# Altium PCB S6 V1.2.PcbDoc (part 3 of 3) (continued)
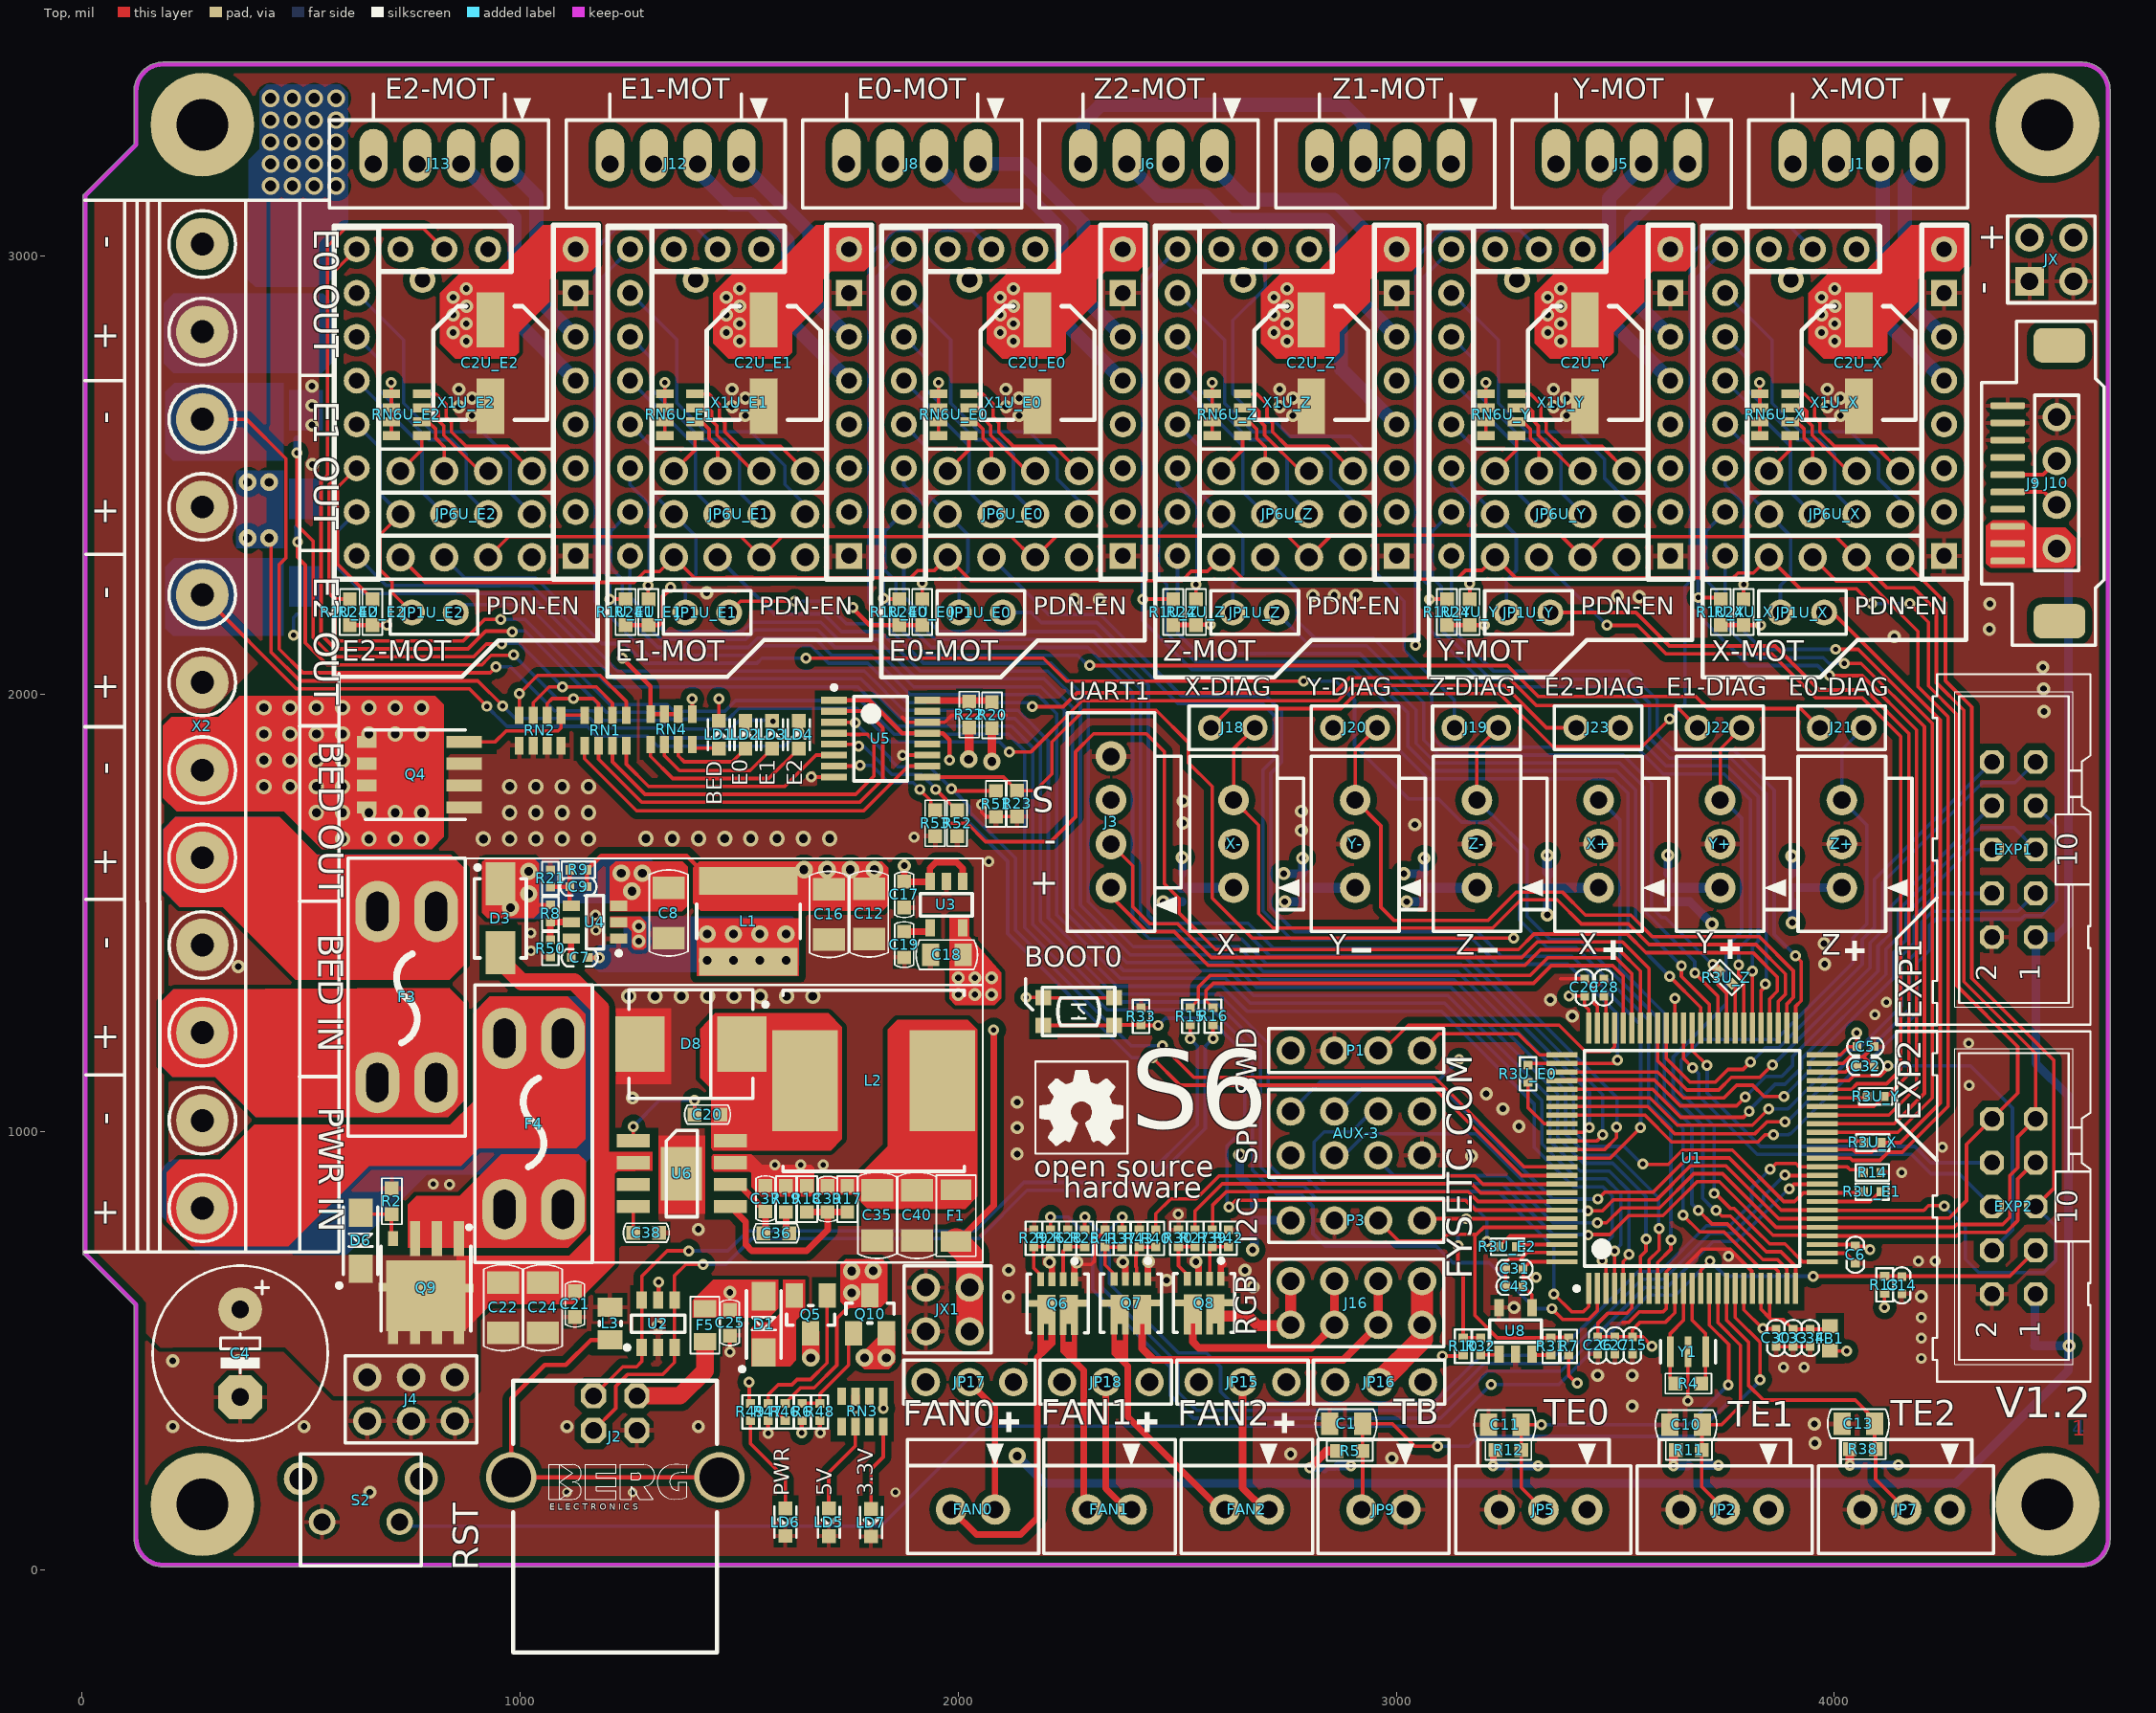
[diagram p0: Top view]
## Nets (pads, with @x,y where several pads share a name; then routed paths per layer and width w, separated by ;. In a path a pad name is that pad's centre, name@x,y a point inside that pad or via, vN(x,y) a via of type N, cw(c..) or ccw(c..) an arc to the next point about the centre after c; other vN are vias at no path point) (continued)
  other v5: 430,3160 480,3160 530,3160 580,3160 430,3210 480,3210 530,3210 580,3210 430,3260 480,3260 530,3260 580,3260 430,3310 480,3310 530,3310 580,3310 430,3360 480,3360 530,3360 580,3360
VREFU_E0: X1U_E0.17
VREFU_E1: X1U_E1.17
VREFU_E2: X1U_E2.17
VREFU_X: X1U_X.17
VREFU_Y: X1U_Y.17
VREFU_Z: X1U_Z.17
X-MAX: J23.2 U1.24 X+.3 | length 1520.8
  Top w8: v1(3689.91,821) 3720.91,790 3755.72,790 3837.1,708.62 3870.7,708.62 3892.16,687.15 U1.24@3892.16,642.76
  GND w8: X+.3@3461.95,1757.69 3461.95,1873.95 J23.2@3511,1923
  Bottom w8: X+.3@3461.95,1757.69 3465.24,1757.69 3510.95,1711.98 3510.95,1372.55 3612,1271.5 3612,1076.68 3675,1013.68 3675,835.91 v1(3689.91,821)
X-MIN: J18.2 U1.53 X-.3 | length 1911.3
  Top w8: J18.2@2677,1923 2628.74,1874.74 X-.3@2628.74,1757.69 2686,1700.43 2686,1498.47 2718.62,1465.85 2986.69,1465.85 2986.99,1465.55 3220.12,1465.55 3284.57,1530 3367.38,1530 3422.42,1474.96 3530.09,1474.96 3577.12,1427.93 3821.39,1427.93 3888.37,1360.95 3888.37,1314.44 3872.48,1298.55 U1.53@3872.48,1237.24
Y-MAX: J22.2 U1.25 Y+.3 | length 1541.9
  Top w8: v1(3730,821) 3743,808 3763.17,808 3844.56,726.62 3878.16,726.62 3911.85,692.92 U1.25@3911.85,642.76 ; v1@3731,826 v1@3733,824 ; Y+.3@3739.69,1757.69 3739.69,1874.51 J22.2@3788.18,1923
  Bottom w8: v1@3731,824 3724.39,824 3699.99,848.4 3699.99,848.53 3699.5,849.02 3699.5,870.98 3699.99,871.47 3699.99,1014.15 3632.29,1081.85 3632.29,1171.29 3753.4,1292.4 3753.4,1423.4 3788.69,1458.69 3788.69,1716.65 3747.65,1757.69 Y+.3@3739.69,1757.69
Y-MIN: J20.2 U1.52 Y-.3 | length 1646.7
  Top w8: J20.2@2956,1923 2906.48,1873.48 Y-.3@2906.48,1757.69 2965,1699.17 2965,1513 2994.45,1483.55 3210.06,1483.55 3274.51,1548 3378.87,1548 3431.87,1495 3535.5,1495 3584.57,1445.93 3828.84,1445.93 3906.61,1368.16 3906.61,1307.23 3892.16,1292.78 U1.52@3892.16,1237.24
Z-MAX: J21.2 U1.26 Z+.3 | length 1724.5
  Top w8: v1(3726,860) 3728.48,860 3762.48,826 3770.63,826 3834.6,762.03 3835,762.03 3852.41,744.62 3887.27,744.62 3928.11,703.78 U1.26@3972.87,703.78 ; v1@3726,861 v1@3726.5,860.5
  Bottom w8: v1@3726,861 3726,1013.6 3650.29,1089.3 3650.29,1163.84 3697.46,1211 3867.11,1211 4043,1386.89 4043,1444 4074,1475 4074,1701.12 Z+.3@4017.43,1757.69 4017.43,1873.43 J21.2@4067,1923
Z-MIN: J19.2 U1.23 Z-.3 | length 1677.2
  Top w8: Z-.3@3184.21,1757.69 3184.21,1874.21 J19.2@3233,1923 ; v1(3655,810.02) 3693.02,772 3748.26,772 3829.65,690.62 3863.24,690.62 3872.48,681.38 U1.23@3872.48,642.76
  Bottom w8: Z-.3@3184.21,1757.69 3216.22,1725.69 3217.77,1725.69 3299,1644.46 3299,1491.94 3351.94,1439 3417.97,1439 3594,1262.97 3594,1069.23 3655,1008.23 v1(3655,810.02)
pads on no net: J9.4 J9.7 J9.11 J9.12 RN3.1 RN3.3 RN3.6 RN3.8 S2.3 S2.4 U5.12 U5.15 U6.3 X1U_E0.18 X1U_E1.18 X1U_E2.18 X1U_X.18 X1U_Y.18 X1U_Z.18

## Polygon pours and split planes (outlines as drawn)
GND on Top "Top-GND" (solid, remove dead copper, pour order 102): 4,3157 123.73,3276.73 123.73,3453.2 4604.64,3453.2 4621.31,3436.53 4621.3,3436.52 4621.3,75.09 4619.42,75.09 4576.04,31.71 4576.02,31.73 159.01,31.73 120.02,70.72 120.02,626 4.01,742.01
+24V on Top "+24V_L01_P044" (solid, remove dead copper, pour order 44): 453.47,748.47 430.95,771 211,771 211,795 186,820 187,821 187,1855.1 420,2086 420,2211 420,3127.17 28,3127.17 28,728.64 146,610.64 146,541 179,508 464,508 575,397 886,397 900.99,411.99 900.99,504.3 900.99,679.07 861.11,718.95 482.99,718.95
GND on GND "NONET_L01_P-001" (solid, remove dead copper, pour order 78): 4,3435 4,15.79 4629.83,15.79 4629.83,3460.71
GND on Power "Power-GND" (solid, remove dead copper, pour order 110): 1569.69,2193.63 1650.59,2112.73 2053.62,2114.91 2239.61,2114.91 2328.69,2025.83 2426.78,2025.83 2478.05,1974.55 2478.05,1608.2 2531.62,1554.63 2580.42,1554.63 2842.49,1554.63 2842.49,34.06 31.69,34.06 31.69,2149.13 27.69,2153.13 27.69,3171.63 106.69,3250.63 606.69,3250.63 662.59,3194.73 662.59,2222.28 656.69,2216.38 656.69,2193.63
+3.3V on Power "NONET_L01_P-001" (solid, remove dead copper, pour order 108): 2744.66,174.09 2744.66,114.41 2824.53,34.54 4600.33,34.54 4600.34,2746.23 671.46,2746.23 671.46,2135.23 1513.85,2135.23 1668.45,1980.62 1671.53,1977.54 1841.53,1977.54 1906.53,1912.54 1906.8,1741.06 1906.8,1226.12 2039.83,1093.1 2482.32,1093.1 2645.8,929.62 2645.8,272.94
+5V on Power "NONET_L01_P-001" (solid, remove dead copper, pour order 106): 2186.4,237.72 1783.28,237.72 1733.33,287.67 1733.33,373.88 1650.82,456.39 1633.33,473.88 1633.33,581.72 1770.47,581.72 1853.33,664.58 1853.33,1639.72 1853.33,1755.72 2004.63,1907.03 2303.6,1907.03 2433.33,1777.3 2433.33,1640.27 2251.27,1458.21 2005.17,1458.21 1948.38,1401.43 1948.38,1227.67 2009.33,1166.72 2439.71,1166.72 2511.71,1094.72 2687.15,1094.72 2771.33,1009.55 2771.33,633.12 2643.93,505.72 2454.4,505.72
DC5V on Power "NONET_L01_P-001" (solid, pour order 104): 1630.91,1631 1617.64,1617.73 1617.64,1575.36 1714,1479 1714,613.71 1730.26,597.45 1769.52,597.45 1841,668.93 1841,1612 1822,1631
VMOT on Power "Top Overlay-No Net" (solid, remove dead copper, pour order 52): 359,2782.37 379.16,2762 4629.8,2762 4629.8,3442.4 359,3442.41
+24V on Bottom "Top Overlay-No Net" (solid, remove dead copper, pour order 50): 227.62,740.36 227.62,738.4 264.02,702 477,702 643.18,535.82 879.67,535.82 908,507.49 908,411.42 879.58,383 533.6,383 391,525.36 205.46,525.36 4.51,726.31 6.62,728.42 6.62,1120.36 6.62,2914 459,2914 459,1973.4 178.62,1686.79 178.62,1137.36 178.62,789.36
GND on Bottom "Thermal-GND" (solid, remove dead copper, pour order 100): 103,16 4610.88,16 4610.88,3438.28 158.26,3438.28 109.58,3389.61 109.58,3257.28 -6.42,3141.27 -6.41,3141.26 -6.41,726.28 109.59,610.27 102.5,603.18 102.5,19.59
no net on Bottom "Thermal-No Net" (solid, pour order 98): 0,0

## Keep-outs
Keep-Out Layer:
  lines w10: 7.5,722.5 123.51,606.49 123.51,73.71 ccw(c185,73.71) 185,12.22 3049.99,12.22 4349.23,12.22 4565.73,12.22 ccw(c4565.73,71.26) 4624.79,71.26 ; 7.5,726.22 7.49,3137.49 123.5,3253.5 123.5,3375.91 ; 123.5,3375 cw(c185.46,3375.46) 185,3437.42 4565.73,3437.42 ; 4565.75,3437.39 cw(c4565.75,3378.33) 4624.8,3378.33 ; 4624.79,71.27 4624.79,3378.36

## Other copper
Top:
  rectangle net GND: 1316,813.5 1423,992
  rectangle net GND: 1218.3,1109 1344.98,1283
  rectangle net NetC7_2: 1403,1356 1637,1488
  region net NetD1_2: 1528.53,553.09 1541.44,566 1573,566 1600,593 1600,663 1650,663 1650,590.06 1630,570.06 1630,479 1616,465 1528.53,465
  region net +5V: 1820.44,536 1777,492.56 1777,467.43 1785.58,458.86 1841.29,458.86 1856,473.57 1856,534.18
  region net DC5V: 1744.26,710.86 1731.26,697.85 1731.26,612.24 1746,597.5 1747.24,598.74 1822.24,598.74 1838.45,614.96 1838.45,698.5 1826.89,709.7
  region net DC5V: 1409,1617.73 1395,1603.73 1395,1522 1412,1505 1827.49,1505 1840.49,1518 1840.49,1603.51 1826.27,1617.73
  region net NetC8_2: 920.2,1623.46 913,1616.26 913,1501 925,1489 1031.39,1489 1042.74,1500.35 1042.74,1613.26 1031.84,1624.16
  region net NetC8_2: 1205,1503.55 1369.55,1503.55 1383,1517 1383,1606 1371,1618 1217.75,1618 1205,1605.25
  region net NetC7_2: 1205.59,1466.49 1205.59,1491.49 1274.59,1491.49 1287.59,1478.49 1287.59,1422.49 1281.59,1416.49 1260.59,1416.49 1254.59,1422.49 1254.59,1458.49 1246.59,1466.49
  region net UVCC: 1394,615 1394,577 1568.47,577 1589,597.53 1589,663 1440.31,663 1394.44,617.13
  region net +5V: 4346.57,2384 4346.57,2298.38 4357,2287.95 4544.95,2287.95 4552,2295 4552,2355.73 4527.73,2380 4453.95,2380 4437.95,2396 4361,2396
  region net +3.3V: 1979.74,1490 1979.74,1304 1993.68,1290.06 2083.06,1290.06 2098,1305 2098,1364.37 2025,1447.19 2025,1494 1983.74,1494
  region net NetLD1_1: 184.96,1927.68 184.96,1763.04 216,1732 461,1732 546.73,1646.27 798.27,1646.27 826,1674 826,1975.8 806.52,1995.27 359.27,1995.27 311,1947 204.28,1947
  region net VMOT: 3940.9,2915.32 3940.9,2800.32 3975.9,2765.32 4105.9,2765.32 4120.9,2780.32 4120.9,2825.32 4190.9,2895.32 4190.9,2945.32 4210.9,2965.32 4285.9,2965.32 4302.08,2981.5 4302.08,3070.32 4175.9,3070.32 4065.9,2960.32 3985.9,2960.32
  region net VMOT: 3315.9,2915.32 3315.9,2800.32 3350.9,2765.32 3480.9,2765.32 3495.9,2780.32 3495.9,2825.32 3565.9,2895.32 3565.9,2945.32 3585.9,2965.32 3660.9,2965.32 3677.08,2981.5 3677.08,3070.32 3550.9,3070.32 3440.9,2960.32 3360.9,2960.32
  region net VMOT: 2690.9,2915.32 2690.9,2800.32 2725.9,2765.32 2855.9,2765.32 2870.9,2780.32 2870.9,2825.32 2940.9,2895.32 2940.9,2945.32 2960.9,2965.32 3035.9,2965.32 3052.08,2981.5 3052.08,3070.32 2925.9,3070.32 2815.9,2960.32 2735.9,2960.32
  region net VMOT: 2065.9,2915.32 2065.9,2800.32 2100.9,2765.32 2230.9,2765.32 2245.9,2780.32 2245.9,2825.32 2315.9,2895.32 2315.9,2945.32 2335.9,2965.32 2410.9,2965.32 2427.08,2981.5 2427.08,3070.32 2300.9,3070.32 2190.9,2960.32 2110.9,2960.32
  region net VMOT: 1440.9,2915.32 1440.9,2800.32 1475.9,2765.32 1605.9,2765.32 1620.9,2780.32 1620.9,2825.32 1690.9,2895.32 1690.9,2945.32 1710.9,2965.32 1785.9,2965.32 1802.08,2981.5 1802.08,3070.32 1675.9,3070.32 1565.9,2960.32 1485.9,2960.32
  region net VMOT: 816.9,2915.32 816.9,2800.32 851.9,2765.32 981.9,2765.32 996.9,2780.32 996.9,2825.32 1066.9,2895.32 1066.9,2945.32 1086.9,2965.32 1161.9,2965.32 1178.08,2981.5 1178.08,3070.32 1051.9,3070.32 941.9,2960.32 861.9,2960.32
  region net NetF4_1: 865,923 905,963 1128,963 1149,984 1149,1269 1109,1309 931,1309 893.33,1271.33 893.33,1069.27 840.33,1016.27 393.33,1016.27 314.33,937.27 222.27,937.27 193,908 193,795.6 249.6,739 471,739 655,923
  region net NetF3_1: 208.73,1325.73 179,1296 179,1153 206,1126 304,1126 396,1034 835,1034 873,1072 873,1294 838.15,1328.85
  region net +24V-BED: 213,1719 185.07,1691.07 185.07,1551.65 222.72,1514 320.72,1514 486.86,1347.86 838.86,1347.85 875.86,1384.85 875.86,1599.14 842,1633 536.72,1633 450.72,1719
  region net GND: 1437,945 1441,949 1528,949 1552,925 1665,925 1671,919 1671,861 1663,853 1550.3,853 1528,875.3 1528,906 1524,910 1443,910 1437,916
  region net NetC35_1: 1861,1256 1839,1234 1839,968 1770,899 1687,899 1683.3,895.3 1683.3,860.7 1687,857 1762,857 1794,825 2016,825 2044,853 2044,1234 2022,1256
  region net NetC20_1: 1444.79,1271 1411,1235.33 1411,1124 1436,1099 1436,963 1441,958 1516,958 1709,958 1735,984 1735,1240 1704,1271
  region net +24V: 855.05,718.95 856,718 1112,718 1163,769 1163,934 1183,954 1302,954 1302,912 1224,912 1216,904 1216,698 1125,607 934,607 856.28,529.28
  region net NetFAN0_2: 2195.63,489.2 2221.63,515.21 2221.63,541.21 2206.43,541.21 2206.43,524.21 2195.63,524.21 2195.63,541.21 2181.43,541.21 2181.43,492.4 2184.63,489.21
  region net NetF4_2: 1109.83,735.83 1150.11,776.11 1149.71,933.29 1134,949 956.49,949 861.49,854 762.96,854 743.31,834.35 743.31,787.54 743.31,735.83 862.89,735.83
  region: 3253,-61
  region net NetFAN2_2: 2350.8,492.04 2368.83,474 2387.8,474 2387.8,488.68 2387.8,541.68 2376.8,541.68 2376.8,524.68 2361.8,524.68 2361.8,541.68 2350.8,541.68
  region net NetFAN1_2: 2233.98,498.02 2259,473 2269.02,473 2270.98,474.96 2270.98,537.68 2259.98,537.68 2259.98,520.68 2244.98,520.68 2244.98,537.68 2233.98,537.68
  text "1" at 4543,295 h60
GND:
  region net NetLD1_1: 184.96,1927.68 184.96,1763.04 216,1732 461,1732 546.73,1646.27 798.27,1646.27 826,1674 826,1970 800.73,1995.27 359.27,1995.27 311,1947 204.28,1947
  pour cut-out: 1090.3,3214.32 1090.3,3010.32 1192.29,3010.32 1192.48,3214.32
  text "2" at 4543,295 h60
Power:
  pour cut-out: 4018.08,1608.67 ccw(c4018.08,1558.24) 4018.08,1507.81 ccw(c4018.08,1558.24)
  pour cut-out: 3740.35,1608.67 ccw(c3740.34,1558.24) 3740.35,1507.81 ccw(c3740.35,1558.24)
  pour cut-out: 3462.61,1608.67 ccw(c3462.61,1558.24) 3462.61,1507.81 ccw(c3462.61,1558.24)
  pour cut-out: 3184.87,1608.67 ccw(c3184.87,1558.24) 3184.87,1507.81 ccw(c3184.87,1558.24)
  pour cut-out: 2907.13,1608.67 ccw(c2907.13,1558.24) 2907.13,1507.81 ccw(c2907.13,1558.24)
  pour cut-out: 2629.4,1608.67 ccw(c2629.39,1558.24) 2629.4,1507.81 ccw(c2629.4,1558.24)
  pour cut-out: 2759.66,1364.98 ccw(c2759.66,1314.55) 2759.66,1264.11 ccw(c2759.66,1314.55)
  pour cut-out: 2759.66,848.98 ccw(c2759.66,798.55) 2759.66,748.11 ccw(c2759.66,798.55)
  pour cut-out: 4251,3058.96 ccw(c4251,3015.41) 4251,2971.86 ccw(c4251,3015.41)
  pour cut-out: 3626,3058.96 ccw(c3626,3015.41) 3626,2971.86 ccw(c3626,3015.41)
  pour cut-out: 3001,3058.96 ccw(c3001,3015.41) 3001,2971.86 ccw(c3001,3015.41)
  pour cut-out: 2376,3058.96 ccw(c2376,3015.41) 2376,2971.86 ccw(c2376,3015.41)
  pour cut-out: 1751,3058.96 ccw(c1751,3015.41) 1751,2971.86 ccw(c1751,3015.41)
  pour cut-out: 1127,3058.96 ccw(c1127,3015.41) 1127,2971.86 ccw(c1127,3015.41)
  pour cut-out: 4005.79,239.79 ccw(c4035.79,239.79) 4065.79,239.79 ccw(c4035.79,239.79)
  pour cut-out: 3622.79,237.79 ccw(c3652.79,237.79) 3682.79,237.79 ccw(c3652.79,237.79)
  pour cut-out: 3196.79,237.79 ccw(c3226.79,237.79) 3256.79,237.79 ccw(c3226.79,237.79)
  region net NetLD1_1: 184.96,1927.68 184.96,1763.04 216,1732 461,1732 546.73,1646.27 798.27,1646.27 826,1674 826,1970 800.73,1995.27 359.27,1995.27 311,1947 204.28,1947
  region net NetLD2_1: 190,3045 189,3044 189,2934 216,2907 328,2907 355,2880 355,2333.2 459,2333.2 459,3057 409,3107 221,3107 190,3076
  text "3" at 4543,295 h60
Bottom:
  rectangle net GND: 471.97,2199.12 549.04,2292.12
  rectangle net GND: 472.7,2399 549.77,2492
  rectangle net GND: 472.7,2601 549.77,2694
  region net NetC8_2: 984.82,1623.45 954,1592.63 954,1500 968,1486 1055,1486 1091,1522 1295,1522 1310,1537 1310,1612 1298.54,1623.45
  region net NetC7_2: 1164,1410 1181.22,1427.22 1215.94,1427.22 1236.1,1447.38 1236.1,1477.8 1249.19,1491.49 1622.51,1491.49 1637.18,1476.82 1637.18,1380.96 1621.71,1365.49 1239.59,1365.49 1179.51,1365.49 1164,1381
  region net NetLD1_1: 184.96,1927.68 184.96,1763.04 216,1732 461,1732 546.73,1646.27 798.27,1646.27 826,1674 826,1970 800.73,1995.27 359.27,1995.27 311,1947 204.28,1947
  region net NetF3_1: 382.52,1326.48 465,1244 841.93,1244 872.23,1211 872.23,1071.89 834.23,1033.89 395.23,1033.89 303.23,1125.89 205.23,1125.89 178.23,1152.89 178.23,1295.89 207.96,1325.62
  region net NetLD2_1: 352,2510.36 352,2333.2 460,2333.2 460,2510.36
  region net NetLD3_1: 210.25,2710.25 190,2690 190,2550 206.91,2533.09 460,2533.09 460,2710.25
  region net VMOT: 405,3243.69 405,3375 421,3391 589,3391 607,3373 607,3224 607,3077 571,3041 571,2949 551,2929 395,2929 378.17,2945.83 378.17,3031.17 380,3033 380,3218.69
  region net +24V: 187,2892 187,2755 209,2733 365,2733 547,2733 573,2759 573,2891 550,2914 209,2914
  region net NetLD4_1: 210.17,2310.17 190,2290 190,2150 207,2133 460,2133 460,2310.16
  region net NetF4_1: 787.01,903 932.96,903 940.96,911 1131,911 1161,941 1161,1277 1129,1309 931,1309 895,1273 895,1069 842,1016 395,1016 316,937 202,937 176,911 176,814 270,720 604.01,720
  region net +24V-BED: 213,1720 185,1692 185,1551 221,1515 362,1515 472,1405 847,1405 876,1434 876,1599 841,1634 535,1634 449,1720
  text "4" at 4543,295 h60

## Silkscreen, mask and mechanical layers (free items; w line width, h text height)
Top Overlay:
  drawing of 383 lines, arcs and shapes, not listed
  text "E2-MOT" at 691,3343 h80
  text "E1-MOT" at 1229,3343 h80
  text "E0-MOT" at 1768,3343 h80
  text "Z2-MOT" at 2309,3343 h80
  text "Z1-MOT" at 2854,3343 h80
  text "Y-MOT" at 3403,3343 h80
  text "X-MOT" at 3945,3343 h80
  text "+" at 4326,3067 h59.06 r180
  text "E0 OUT" at 510,3063 h98.43 r270
  text "-" at 78.09,3045.94 h59.06 r90
  text "-" at 4321,2912 h59.06 r270
  text "+" at 78.09,2850.94 h59.06 r90
  text "E1 OUT" at 510,2669 h98.43 r270
  text "-" at 78.09,2645.94 h59.06 r90
  text "+" at 78.09,2450.94 h59.06 r90
  text "E2 OUT" at 510.17,2269.02 h98.43 r270
  text "-" at 78.09,2245.11 h59.06 r90
  text "PDN-EN" at 922,2167 h70
  text "PDN-EN" at 1546,2167 h70
  text "PDN-EN" at 2171,2167 h70
  text "PDN-EN" at 2796,2167 h70
  text "PDN-EN" at 3421,2167 h70
  text "PDN-EN" at 4046,2167 h70
  text "E2-MOT" at 593,2060 h80
  text "E1-MOT" at 1217,2060 h80
  text "E0-MOT" at 1842,2060 h80
  text "Z-MOT" at 2467,2060 h80
  text "Y-MOT" at 3094,2060 h80
  text "X-MOT" at 3719,2060 h80
  text "+" at 78.09,2050.11 h59.06 r90
  text "X-DIAG" at 2516.45,1982.71 h70
  text "Y-DIAG" at 2796.45,1982.71 h70
  text "Z-DIAG" at 3074.45,1982.71 h70
  text "E2-DIAG" at 3337.84,1982.71 h70
  text "E1-DIAG" at 3616.15,1982.71 h70
  text "E0-DIAG" at 3895.08,1982.71 h70
  text "UART1" at 2252.54,1973 h70
  text "BED OUT" at 520.56,1892.56 h98.43 r270
  text "-" at 78.09,1845.11 h59.06 r90
  text "E0" at 1531.8,1790.37 h60 r90
  text "E1" at 1593.92,1790.37 h60 r90
  text "E2" at 1656.04,1790.37 h60 r90
  text "S" at 2219.6,1789 h59.06 r180
  text "BED" at 1472,1746 h60 r90
  text "+" at 78.09,1650.11 h59.06 r90
  text "-" at 2224.6,1639 h59.06
  text "+" at 2171.39,1533.7 h59.06 r270
  text "BED IN" at 519.74,1452.56 h98.43 r270
  text "-" at 78.32,1445.83 h59.06 r90
  text "Y" at 3685.89,1393.03 h80
  text "X" at 3415.62,1390.88 h80
  text "X" at 2590.31,1389 h80
  text "Y" at 2847.05,1389 h80
  text "Z" at 3135.79,1389 h80
  text "Z" at 3972,1389 h80
  text "EXP1" at 4217,1257 h90 r90
  text "+" at 78.32,1250.83 h59.06 r90
  text "SWD" at 2696.48,1084.82 h80 r90
  text "PWR IN" at 520.56,1057.56 h98.43 r270
  text "-" at 78.32,1045 h59.06 r90
  text "EXP2" at 4215,1025 h90 r90
  text "S6" at 2393.5,948.7 h310
  text "SPI" at 2698.3,925 h80 r90
  text "open source" at 2172.5,881.7 h83
  text "+" at 78.32,850 h59.06 r90
  text "hardware" at 2240.5,833.7 h83
  text "I2C" at 2698.06,745.79 h80 r90
  text "FYSETC.COM" at 3192.53,664.46 h100 r90
  text "RGB" at 2696,535 h80 r90
  text "V1.2" at 4368,325 h120
  text "FAN1" at 2187.38,312.66 h100
  text "TB" at 2994,313 h100
  text "TE0" at 3337,312 h100
  text "FAN0" at 1873,310 h100
  text "FAN2" at 2500,310 h100
  text "TE2" at 4129,310 h100
  text "TE1" at 3757,308 h100
  text "PWR" at 1626,168.96 h60 r90
  text "5V" at 1723.52,168.96 h60 r90
  text "3.3V" at 1817.27,168.96 h60 r90
  text "RST" at 924,-1 h100 r90
Bottom Overlay:
  region: 899.5,2185.5 926.5,2166.5 926.5,2204.5
  region: 1523.5,2185.5 1550.5,2166.5 1550.5,2204.5
  region: 2148.5,2185.5 2175.5,2166.5 2175.5,2204.5
  region: 2773.5,2185.5 2800.5,2166.5 2800.5,2204.5
  region: 3398.5,2185.5 3425.5,2166.5 3425.5,2204.5
  region: 4023.5,2185.5 4050.5,2166.5 4050.5,2204.5
  region: 2627.74,1940.68 2646.74,1967.69 2608.74,1967.69
  region: 2905.74,1940.68 2924.74,1967.69 2886.74,1967.69
  region: 3184.74,1940.68 3203.74,1967.69 3165.74,1967.69
  region: 3461.74,1940.68 3480.74,1967.69 3442.74,1967.69
  region: 3737.74,1940.68 3756.74,1967.69 3718.74,1967.69
  region: 4018.74,1940.68 4037.74,1967.69 3999.74,1967.69
  region: 2050.21,112.19 2031.21,85.18 2069.21,85.18
  region: 2385.76,109.32 2366.76,82.31 2404.76,82.31
  region: 2699.26,109.32 2680.26,82.31 2718.26,82.31
  region: 3104.68,561.02 3131.69,542.02 3131.69,580.02
  region: 4018.69,1512.01 3999.69,1485 4037.69,1485
  region: 3740.95,1512.01 3721.95,1485 3759.95,1485
  region: 3463.21,1512.01 3444.21,1485 3482.21,1485
  region: 3185.47,1512.01 3166.47,1485 3204.47,1485
  region: 2907.74,1512.01 2888.74,1485 2926.74,1485
  region: 2630,1512.01 2611,1485 2649,1485
  lines w0: 3062,753 3105,753
  lines w8: 7.49,1534.17 327.49,1534.17 ; 7.49,1934.17 327.49,1934.17 ; 7.49,2335 327.49,2335 ; 7.49,2735 327.49,2735 ; 7.72,1134.89 327.72,1134.89 ; 564,2149 564,3081 ; 1188,2149 1188,3081 ; 1813,2149 1813,3081 ; 1865,545 1926,545 1926,645 1865,645 ; 1970,361.56 2007,361.56 2026,380.56 ; 2026,429 2026,380.56 ; 2085,361.56 2045,361.56 2026,380.56 ; 2087,545 2026,545 2026,645 2087,645 ; 2281,361.56 2318,361.56 2337,380.55 ; 2287.96,1204.33 2308.63,1225 3097.3,1225 ; 2337,429 2337,380.55 ; 2396,361.56 2356,361.56 2337,380.55 ; 2438,2149 2438,3081 ; 2593,361.56 2630,361.56 2649,380.56 ; 2649,429 2649,380.56 ; 2708,361.56 2668,361.56 2649,380.56 ; 2720.7,848 3509.37,848 3530.68,826.69 ; 2720.7,886 3509.37,886 3530.68,907.31 ; 2720.89,1085.22 3082.22,1085.22 3192,1195 3503.16,1195 3526.08,1172.08 ; 2759,519 2759,659.76 ; 2859,519 2859,659.76 ; 2905,361.56 2942,361.56 2961,380.56 ; 2959,519 2959,659.76 ; 2961,429 2961,380.56 ; 3020,361.56 2980,361.56 2961,380.56 ; 3059,559.76 3059,659.76 ; 3063,2149 3063,3081 ; 3688,2149 3688,3081 ; 4313.8,2149 4313.8,3081 ; 4385,2942 4546,2942 ; 4388,3042 4546,3042
  lines w10: 585,340 851,340 ; 585,440 851,440
  text "24V" at 4371,3105 h60 r90
  text "GND" at 4370,2961 h60 r90
  text "PC6" at 88.78,2942 h100 r270
  text "+" at 146,2801 h60
  text "GND" at 4464.77,2610.56 h60
  text "PC7" at 88.69,2551.8 h100 r270
  text "PC11" at 4464.77,2511.96 h60
  text "PD2" at 4464.77,2410.56 h60
  text "+" at 146,2401 h60
  text "5V" at 4464.77,2308.56 h60
  text "E2-PDN" at 1164,2163 h70
  text "E1-PDN" at 1789,2163 h70
  text "E0-PDN" at 2419,2163 h70
  text "Z-PDN" at 3011,2163 h70
  text "Y-PDN" at 3639,2163 h70
  text "X-PDN" at 4264,2163 h70
  text "PC8" at 88.78,2150 h100 r270
  text "+" at 146,2001 h60
  text "X-DIAG" at 2737,1980 h70
  text "Y-DIAG" at 3017,1980 h70
  text "Z-DIAG" at 3295,1980 h70
  text "E2-DIAG" at 3582.39,1980 h70
  text "E1-DIAG" at 3853.7,1980 h70
  text "E0-DIAG" at 4140.63,1980 h70
  text "GND" at 2295.5,1837 h60
  text "PC9" at 4318,1826 h60
  text "PA8" at 4595.85,1825 h60
  text "BED" at 88.78,1740 h100 r270
  text "PB13" at 2578,1740 h70
  text "PB15" at 2855.74,1740 h70
  text "PD10" at 3133.47,1740 h70
  text "PD9" at 3411.21,1740 h70
  text "PD8" at 3688.95,1740 h70
  text "PB12" at 3966.69,1740 h70
  text "VCC" at 2295.5,1736.48 h60
  text "PD2" at 4595.52,1728 h60
  text "PC11" at 4318,1725 h60
  text "GND" at 2578,1635 h70
  text "GND" at 2856.29,1635 h70
  text "TX1" at 2295.5,1634.17 h60
  text "GND" at 3133.04,1634 h70
  text "GND" at 3411.65,1634 h70
  text "GND" at 3688.18,1634 h70
  text "GND" at 3967,1634 h70
  text "PC10" at 4318,1629 h60
  text "PC12" at 4620,1626.33 h60
  text "+" at 145,1605 h60
  text "3.3" at 2460,1573.37 h60
  text "3.3" at 2733.45,1573.37 h60
  text "3.3" at 3011.25,1573.37 h60
  text "3.3" at 3291.56,1573.37 h60
  text "3.3" at 3847.04,1573.37 h60
  text "3.3" at 3567.34,1570.67 h60
  text "RX1" at 2295.5,1534 h60
  text "PD0" at 4318,1527 h60
  text "PD1" at 4589.47,1526 h60
  text "24" at 2458.41,1505 h60
  text "24" at 2731.86,1505 h60
  text "24" at 3009.66,1505 h60
  text "5" at 3289.97,1505 h60
  text "5" at 3845.44,1505 h60
  text "5" at 3565.75,1502.31 h60
  text "24/3.3V" at 2672.84,1430.69 h70
  text "24/3.3V" at 2950.58,1430.69 h70
  text "24/3.3V" at 3228.32,1430.69 h70
  text "5/3.3V" at 3506.05,1430.69 h70
  text "5/3.3V" at 3783.79,1430.69 h70
  text "5/3.3V" at 4061.53,1430.69 h70
  text "GND" at 4318,1428 h60
  text "5V" at 4561.06,1427 h60
  text "HBIN" at 90,1314 h100 r270
  text "3.3V" at 2359.6,1202.54 h60 r90
  text "+" at 146,1200 h60
  text "GND" at 2460,1200.22 h60 r90
  text "PA13/SWD" at 2560,1200.22 h60 r90
  text "PA14/SCK" at 2660,1200.22 h60 r90
  text "MOSI" at 3291.52,1183.56 h55 r90
  text "RST" at 3494.28,1166.74 h60 r90
  text "CD" at 3195,1136.71 h60 r90
  text "SS" at 3394.52,1127.89 h60 r90
  text "5V" at 3194.28,1031.94 h60 r90
  text "MISO" at 3294.76,1031.94 h60 r90
  text "SCK" at 3394.52,1031.94 h60 r90
  text "GND" at 3494.28,1031.94 h60 r90
  text "MISO" at 4322,1011 h60
  text "SCK" at 4606.39,1009 h60
  text "S6" at 2097.27,1001.34 h1500
  text "PWR" at 90,916 h100 r270
  text "PC6" at 4322,910 h60
  text "SS" at 4562.16,909 h60
  text "5" at 2689,876.93 h60
  text "V1.2" at 2093.38,861.26 h150
  text "VCC" at 3195,829 h60 r90
  text "GND" at 3295.17,829 h60 r90
  text "SDA" at 3394.83,829 h60 r90
  text "SCL" at 3495,829 h60 r90
  text "MOSI" at 4614.22,813 h55
  text "PC7" at 4322,812 h60
  text "+" at 146,800 h60
  text "FYSETC.COM" at 1968,764.14 h120
  text "PB10" at 4322,712 h60
  text "RST" at 4597.4,710 h60
  text "3.3" at 2699.26,685 h60
  text "GND" at 1849.95,624.7 h60
  text "12V" at 2195,625 h60
  text "GND" at 4322,613 h60
  text "5V" at 4558.39,608.72 h60
  text "24/12V" at 3186,603.86 h70 r90
  text "GND" at 1849.95,524.7 h60
  text "12V" at 2195,525 h60
  text "G" at 2979.95,466.72 h60
  text "B" at 2773,466 h60
  text "R" at 2875,466 h60
  text "24V" at 567,424 h60
  text "DM" at 1118,379 h60
  text "VCC" at 1424,373 h60
  text "24" at 1955,341.47 h60
  text "24" at 2266,341.47 h60
  text "24" at 2578,341.47 h60
  text "24" at 2890,341.47 h60
  text "12" at 2155,341.24 h60
  text "12" at 2466,341.24 h60
  text "12" at 2778,341.24 h60
  text "12" at 3090,341.24 h60
  text "GND" at 567,318.85 h60
  text "DP" at 1119,301 h60
  text "GND" at 1426,300 h60
  text "PC3" at 2905,189 h60 r270
  text "GND" at 3004,189 h60 r270
  text "PC0" at 3320,189 h60 r270
  text "3.3V" at 3419,189 h60 r270
  text "PC1" at 3734,189 h60 r270
  text "3.3V" at 3833,189 h60 r270
  text "PC2" at 4148,189 h60 r270
  text "3.3V" at 4247,189 h60 r270
  text "GND" at 1855,105 h60 r270
  text "GND" at 2190,102 h60 r270
  text "GND" at 2505.06,102 h60 r270
  text "GND" at 3148,102 h60 r270
  text "GND" at 3562,102 h60 r270
  text "GND" at 3976,102 h60 r270
  text "24/12V" at 2093.05,30.87 h70
  text "24/12V" at 2428.6,28 h70
  text "24/12V" at 2742.1,28 h70
Bottom Solder:
  rectangle: 511.41,1646 806,1994
Mechanical 15:
  lines w5: 302,2122 1558.18,2122 ; 445,2039 1202,2039

## Text inside footprints (layer, text, board x,y; h text height)
EXP1: Top Overlay "10" at 4570,1605 h77.5 r90; Top Overlay "1" at 4485,1345 h77.5 r90; Top Overlay "2" at 4385,1345 h77.5 r90
EXP2: Top Overlay "2" at 4385,530 h77.5 r90; Top Overlay "1" at 4485,530 h77.5 r90; Top Overlay "10" at 4570,790 h77.5 r90
J2: Top Overlay "E L E C T R O N I C S" at 1066.77,131.54 h24.8
JP3: Mechanical 16 "PASTE" at 2804.3,1555.19 h15.5 r50
JP8: Mechanical 16 "PASTE" at 2529.5,1555.19 h15.5 r50
JP19: Mechanical 16 "PASTE" at 3365.9,1555.19 h15.5 r50
JP20: Mechanical 16 "PASTE" at 3082.1,1555.19 h15.5 r50
JP21: Mechanical 16 "PASTE" at 3921.5,1555.19 h15.5 r50
JP22: Mechanical 16 "PASTE" at 3642.7,1555.19 h15.5 r50
JP23: Mechanical 16 "PASTE" at 2658.5,801.5 h15.5 r230
X1U_E0: Mechanical 15 "DIR" at 1918.03,2290.16 h78.74; Mechanical 15 "STEP" at 1918.03,2389.32 h78.74; Mechanical 15 "SLP" at 1918.03,2489.42 h78.74; Mechanical 15 "RST" at 1918.03,2589.53 h78.74; Mechanical 15 "MS3" at 1918.03,2689.64 h78.74; Mechanical 15 "MS2" at 1918.03,2789.74 h78.74; Mechanical 15 "MS1" at 1918.03,2889.85 h78.74; Mechanical 15 "EN" at 1918.03,2990.91 h78.74; Mechanical 15 "GND" at 2183.18,2291.1 h78.74; Mechanical 15 "VDD" at 2187.63,2391.89 h78.74; Mechanical 15 "1B" at 2251.86,2491.43 h78.74; Mechanical 15 "1A" at 2248.65,2591.27 h78.74; Mechanical 15 "2A" at 2244.86,2691.11 h78.74; Mechanical 15 "2B" at 2248.07,2790.94 h78.74; Mechanical 15 "GND" at 2183.18,2890.12 h78.74; Mechanical 15 "VM" at 2232.32,2990.91 h78.74
X1U_E1: Mechanical 15 "VM" at 1607.32,2990.91 h78.74; Mechanical 15 "GND" at 1558.18,2890.12 h78.74; Mechanical 15 "2B" at 1623.07,2790.94 h78.74; Mechanical 15 "2A" at 1619.86,2691.11 h78.74; Mechanical 15 "1A" at 1623.65,2591.27 h78.74; Mechanical 15 "1B" at 1626.86,2491.43 h78.74; Mechanical 15 "VDD" at 1562.63,2391.89 h78.74; Mechanical 15 "GND" at 1558.18,2291.1 h78.74; Mechanical 15 "EN" at 1293.03,2990.91 h78.74; Mechanical 15 "MS1" at 1293.03,2889.85 h78.74; Mechanical 15 "MS2" at 1293.03,2789.74 h78.74; Mechanical 15 "MS3" at 1293.03,2689.64 h78.74; Mechanical 15 "RST" at 1293.03,2589.53 h78.74; Mechanical 15 "SLP" at 1293.03,2489.42 h78.74; Mechanical 15 "STEP" at 1293.03,2389.32 h78.74; Mechanical 15 "DIR" at 1293.03,2290.16 h78.74
X1U_E2: Mechanical 15 "DIR" at 669.03,2290.16 h78.74; Mechanical 15 "STEP" at 669.03,2389.32 h78.74; Mechanical 15 "SLP" at 669.03,2489.42 h78.74; Mechanical 15 "RST" at 669.03,2589.53 h78.74; Mechanical 15 "MS3" at 669.03,2689.64 h78.74; Mechanical 15 "MS2" at 669.03,2789.74 h78.74; Mechanical 15 "MS1" at 669.03,2889.85 h78.74; Mechanical 15 "EN" at 669.03,2990.91 h78.74; Mechanical 15 "GND" at 934.18,2291.1 h78.74; Mechanical 15 "VDD" at 938.63,2391.89 h78.74; Mechanical 15 "1B" at 1002.86,2491.43 h78.74; Mechanical 15 "1A" at 999.65,2591.27 h78.74; Mechanical 15 "2A" at 995.86,2691.11 h78.74; Mechanical 15 "2B" at 999.07,2790.94 h78.74; Mechanical 15 "GND" at 934.18,2890.12 h78.74; Mechanical 15 "VM" at 983.32,2990.91 h78.74
X1U_X: Mechanical 15 "DIR" at 3793.03,2290.16 h78.74; Mechanical 15 "STEP" at 3793.03,2389.32 h78.74; Mechanical 15 "SLP" at 3793.03,2489.42 h78.74; Mechanical 15 "RST" at 3793.03,2589.53 h78.74; Mechanical 15 "MS3" at 3793.03,2689.64 h78.74; Mechanical 15 "MS2" at 3793.03,2789.74 h78.74; Mechanical 15 "MS1" at 3793.03,2889.85 h78.74; Mechanical 15 "EN" at 3793.03,2990.91 h78.74; Mechanical 15 "GND" at 4058.18,2291.1 h78.74; Mechanical 15 "VDD" at 4062.63,2391.89 h78.74; Mechanical 15 "1B" at 4126.86,2491.43 h78.74; Mechanical 15 "1A" at 4123.65,2591.27 h78.74; Mechanical 15 "2A" at 4119.86,2691.11 h78.74; Mechanical 15 "2B" at 4123.07,2790.94 h78.74; Mechanical 15 "GND" at 4058.18,2890.12 h78.74; Mechanical 15 "VM" at 4107.32,2990.91 h78.74
X1U_Y: Mechanical 15 "DIR" at 3168.03,2290.16 h78.74; Mechanical 15 "STEP" at 3168.03,2389.32 h78.74; Mechanical 15 "SLP" at 3168.03,2489.42 h78.74; Mechanical 15 "RST" at 3168.03,2589.53 h78.74; Mechanical 15 "MS3" at 3168.03,2689.64 h78.74; Mechanical 15 "MS2" at 3168.03,2789.74 h78.74; Mechanical 15 "MS1" at 3168.03,2889.85 h78.74; Mechanical 15 "EN" at 3168.03,2990.91 h78.74; Mechanical 15 "GND" at 3433.18,2291.1 h78.74; Mechanical 15 "VDD" at 3437.63,2391.89 h78.74; Mechanical 15 "1B" at 3501.86,2491.43 h78.74; Mechanical 15 "1A" at 3498.65,2591.27 h78.74; Mechanical 15 "2A" at 3494.86,2691.11 h78.74; Mechanical 15 "2B" at 3498.07,2790.94 h78.74; Mechanical 15 "GND" at 3433.18,2890.12 h78.74; Mechanical 15 "VM" at 3482.32,2990.91 h78.74
X1U_Z: Mechanical 15 "DIR" at 2543.03,2290.16 h78.74; Mechanical 15 "STEP" at 2543.03,2389.32 h78.74; Mechanical 15 "SLP" at 2543.03,2489.42 h78.74; Mechanical 15 "RST" at 2543.03,2589.53 h78.74; Mechanical 15 "MS3" at 2543.03,2689.64 h78.74; Mechanical 15 "MS2" at 2543.03,2789.74 h78.74; Mechanical 15 "MS1" at 2543.03,2889.85 h78.74; Mechanical 15 "EN" at 2543.03,2990.91 h78.74; Mechanical 15 "GND" at 2808.18,2291.1 h78.74; Mechanical 15 "VDD" at 2812.63,2391.89 h78.74; Mechanical 15 "1B" at 2876.86,2491.43 h78.74; Mechanical 15 "1A" at 2873.65,2591.27 h78.74; Mechanical 15 "2A" at 2869.86,2691.11 h78.74; Mechanical 15 "2B" at 2873.07,2790.94 h78.74; Mechanical 15 "GND" at 2808.18,2890.12 h78.74; Mechanical 15 "VM" at 2857.32,2990.91 h78.74